# Altium PCB 11BRANMB10H_20170919.pcbdoc (part 4 of 7)
Units mm, origin at the board's own origin, x right, y up, seen from the top; angles counter-clockwise.
Board outline 91.65 x 48.25 mm, 6 copper layers (TOP, GND1, Singal, POWER, GND2, BOTTOM), stack 0.8 mm thick; 367 components, 288 nets, 1408 pads, 965 vias.
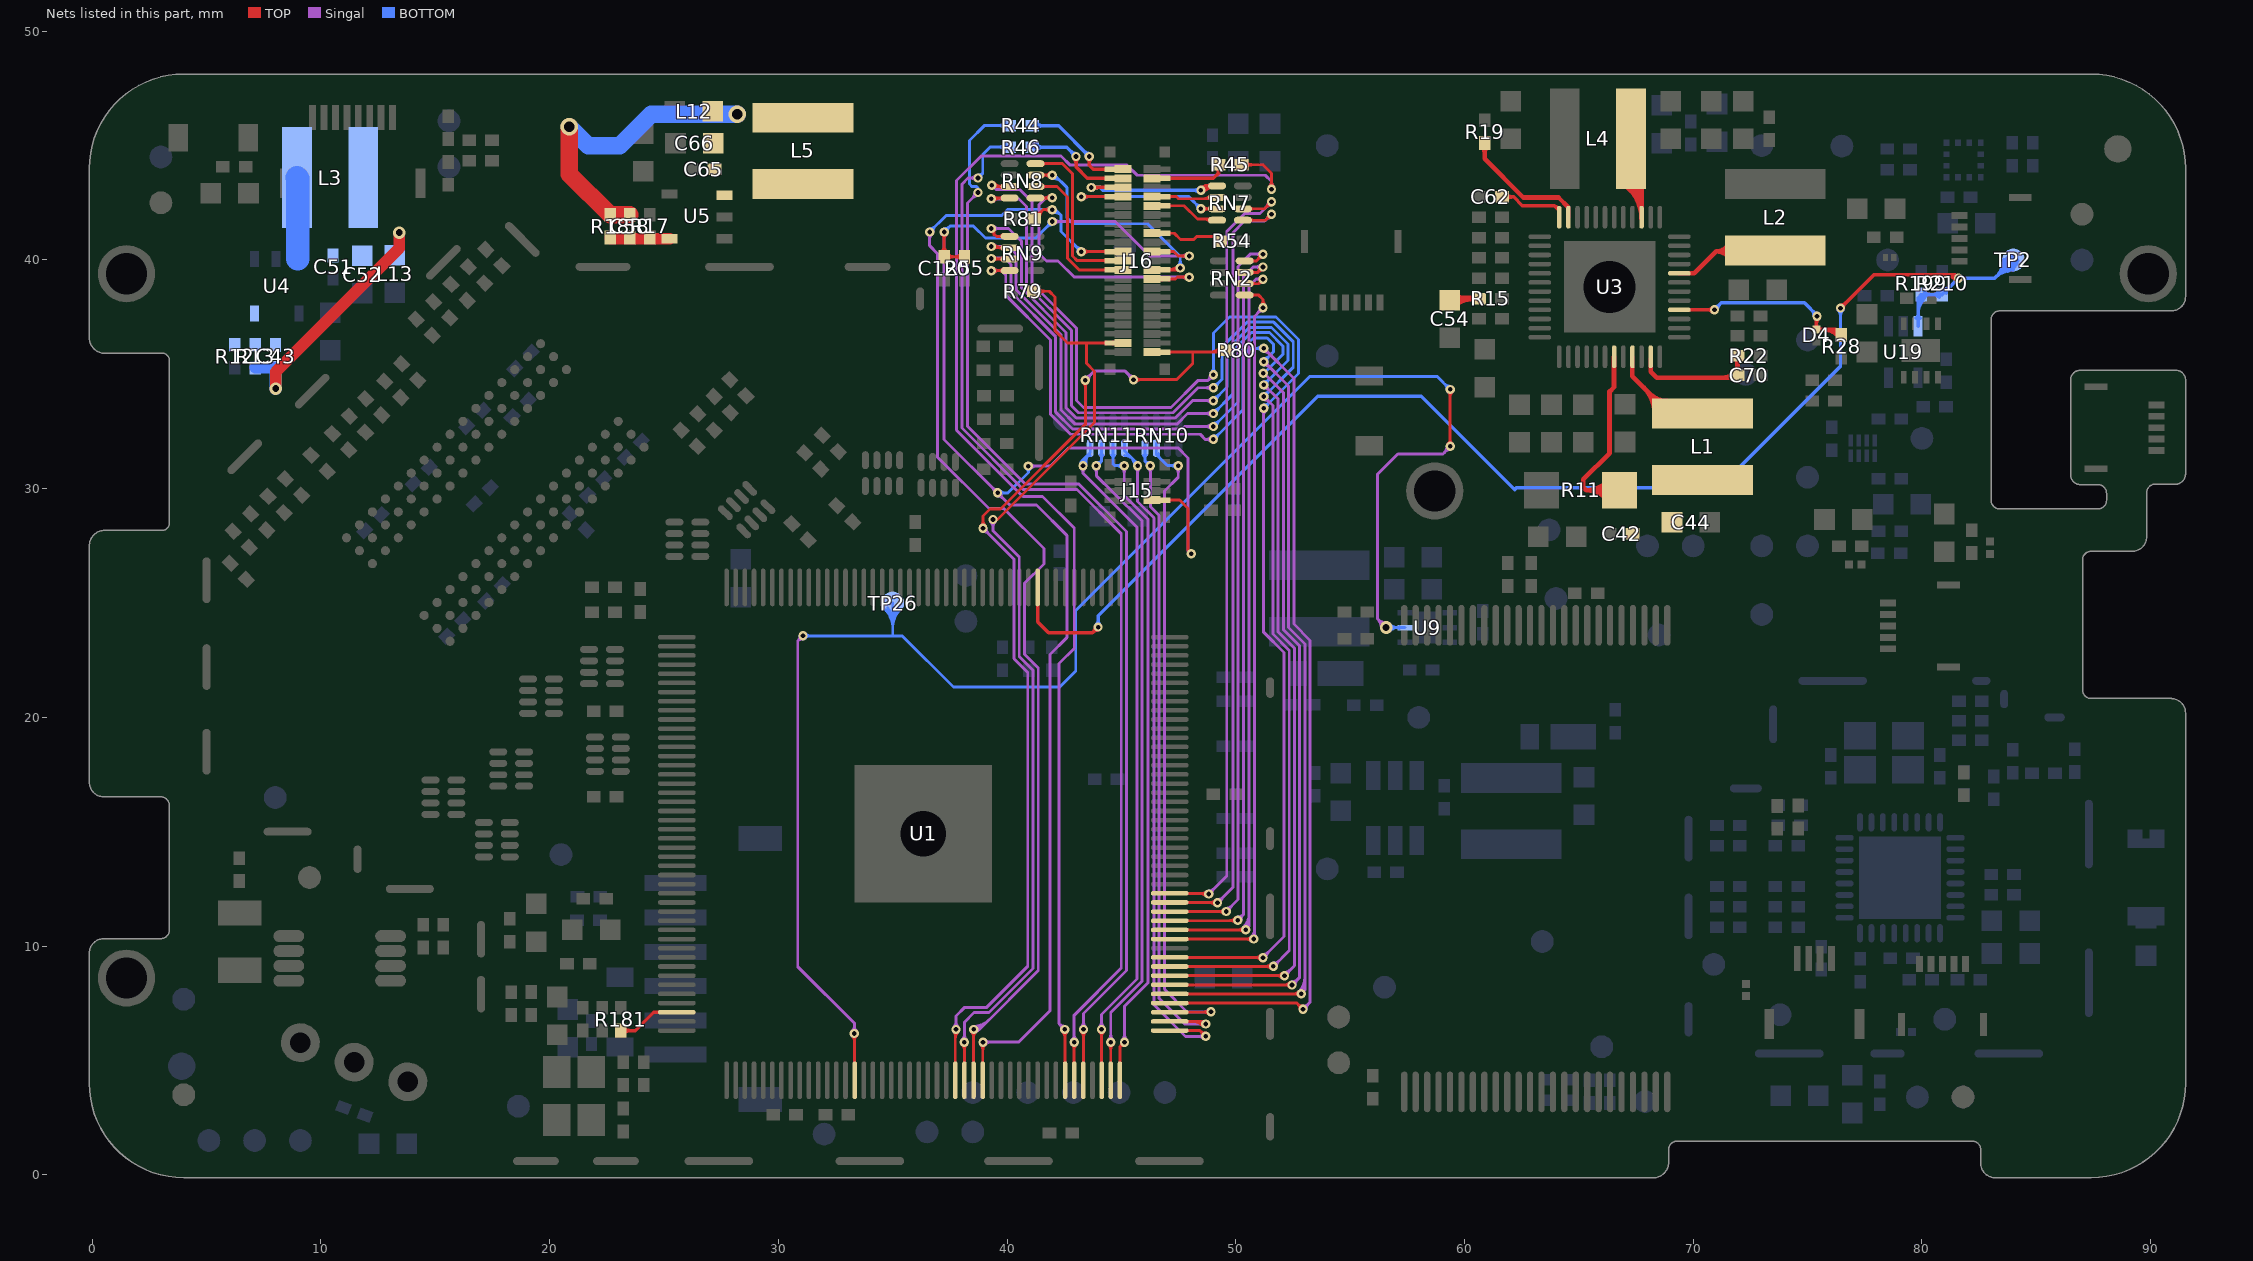
[diagram p8: the nets of this part, all layers, seen from the top]

## Via types
v1: diameter 0.406, hole 0.203, TOP to BOTTOM, tented both sides, 427 vias
v2: diameter 0.457, hole 0.254, TOP to BOTTOM, tented both sides, 256 vias
v3: diameter 0.559, hole 0.305, TOP to BOTTOM, tented both sides, 192 vias
v4: diameter 0.762, hole 0.457, TOP to BOTTOM, tented both sides, 69 vias
v5: diameter 0.61, hole 0.33, TOP to BOTTOM, tented both sides, 11 vias
v6: diameter 0.5, hole 0.2, TOP to BOTTOM, 9 vias
v7: diameter 0.508, hole 0.254, TOP to BOTTOM, tented both sides, 1 vias

## Nets (pads, with @x,y where several pads share a name; then routed paths per layer and width w, separated by ;. In a path a pad name is that pad's centre, name@x,y a point inside that pad or via, vN(x,y) a via of type N, cw(c..) or ccw(c..) an arc to the next point about the centre after c; other vN are vias at no path point) (continued)
LCD-D2: RN7.2 U1.148 | length 37.3
  TOP w0.127: U1.148@47.11,12.308 v1@48.785,12.308 ; 48.403,12.308 cw(c48.403,11.862) v1@48.718,12.177 ; 48.557,12.308 ccw(c48.557,12.536) v1@48.718,12.375 ; RN7.2@50.31,42.238 51.255,42.238 v1(51.562,42.545) ; RN7.2@50.615,42.175 cw(c50.766,42.023) 50.766,42.238 cw(c50.766,42.452) RN7.2@50.615,42.301 ; v1@51.422,42.545 cw(c51.085,42.545) 51.324,42.306 cw(c51.562,42.068) v1@51.562,42.405
  Singal w0.127: v1(48.817,12.276) 49.606,13.065 49.606,41.249 50.394,42.037 51.054,42.037 v1(51.562,42.545) ; v1@48.817,12.416 ccw(c48.817,12.753) 49.055,12.514 ccw(c49.294,12.276) v1@48.957,12.276 ; v1@51.422,42.545 cw(c51.085,42.545) 51.324,42.306 cw(c51.562,42.068) v1@51.562,42.405
LCD-D3: RN7.1 U1.147 | length 37.5
  TOP w0.127: U1.147@47.11,11.908 48.664,11.908 ; 48.664,11.908 v1@49.185,11.908 ; 48.83,11.908 cw(c48.83,11.527) v1@49.099,11.796 ; 48.891,11.908 ccw(c48.891,12.202) v1@49.099,11.994 ; RN7.1@50.31,41.738 51.301,41.738 v1(51.562,41.999) ; RN7.1@50.615,41.675 cw(c50.766,41.523) 50.766,41.738 cw(c50.766,41.952) RN7.1@50.615,41.8 ; v1@51.422,41.999 cw(c51.085,41.999) 51.324,41.76 cw(c51.562,41.522) v1@51.562,41.859
  Singal w0.127: v1(49.198,11.895) 49.873,12.57 49.873,41.192 50.381,41.7 51.264,41.7 v1(51.562,41.999) ; v1@49.198,12.035 ccw(c49.198,12.372) 49.436,12.133 ccw(c49.675,11.895) v1@49.338,11.895 ; v1@51.422,41.999 cw(c51.085,41.999) 51.324,41.76 cw(c51.562,41.522) v1@51.562,41.859
LCD-D4: RN2.4 U1.146 | length 35.6
  TOP w0.127: U1.146@47.11,11.508 v1@49.573,11.508 ; 49.227,11.508 ccw(c49.227,11.866) v1@49.48,11.613 ; 49.257,11.508 cw(c49.257,11.192) v1@49.48,11.415 ; RN2.4@50.387,39.961 50.902,39.961 v1(51.194,40.252) ; RN2.4@50.691,39.898 cw(c50.843,39.746) 50.843,39.961 cw(c50.843,40.176) RN2.4@50.691,40.024 ; v1@51.054,40.252 cw(c50.717,40.252) 50.955,40.014 cw(c51.194,39.775) v1@51.194,40.113
  Singal w0.127: v1(49.579,11.514) 50.101,12.036 50.101,39.719 50.635,40.252 v1(51.194,40.252) ; v1@49.579,11.654 ccw(c49.579,11.991) 49.817,11.752 ccw(c50.056,11.514) v1@49.719,11.514 ; v1@51.095,40.154 ccw(c50.856,39.915) 50.856,40.252 ccw(c50.856,40.59) v1@51.095,40.351
LCD-D5: RN2.3 U1.145 | length 35.6
  TOP w0.127: U1.145@47.11,11.108 v1@50.062,11.108 ; 49.689,11.108 ccw(c49.689,11.531) v1@49.988,11.232 ; 49.811,11.108 cw(c49.811,10.857) v1@49.988,11.034 ; RN2.3@50.416,39.49 RN2.3@50.387,39.461 50.961,39.461 ; RN2.3@50.691,39.398 cw(c50.843,39.246) 50.843,39.461 cw(c50.843,39.676) RN2.3@50.691,39.524 ; v1@51.054,39.691 cw(c50.736,39.686) 50.961,39.461 ; v1@51.191,39.554 ccw(c51.186,39.236) 50.961,39.461 ; v1(51.194,39.694) 50.961,39.461
  Singal w0.127: v1(50.087,11.133) 50.33,11.376 50.33,39.262 50.762,39.694 v1(51.194,39.694) ; v1@50.087,11.273 ccw(c50.087,11.61) 50.325,11.371 ccw(c50.564,11.133) v1@50.227,11.133 ; v1@51.095,39.595 ccw(c50.856,39.356) 50.856,39.694 ccw(c50.856,40.031) v1@51.095,39.792
LCD-D6: RN2.2 U1.144 | length 36
  TOP w0.127: U1.144@47.11,10.708 v1@50.424,10.708 ; 50.084,10.708 ccw(c50.084,11.06) v1@50.333,10.811 ; 50.105,10.708 cw(c50.105,10.385) v1@50.333,10.613 ; RN2.2@50.387,38.961 50.994,38.961 ; RN2.2@50.691,38.898 cw(c50.843,38.746) 50.843,38.961 cw(c50.843,39.176) RN2.2@50.691,39.024 ; v1@51.055,39.141 cw(c50.843,39.112) 50.994,38.961 ; v1@51.175,39.022 ccw(c51.146,38.81) 50.994,38.961 ; v1(51.194,39.16) 50.994,38.961
  Singal w0.127: v1@50.333,10.811 ccw(c49.726,11.417) 50.584,11.417 ; v1@50.423,10.721 ccw(c50.033,11.111) 50.584,11.111 ; v1(50.432,10.712) 50.584,10.865 50.584,38.862 50.882,39.16 ; v1@51.089,39.067 ccw(c50.882,38.883) 50.882,39.16 ; v1@51.089,39.253 cw(c50.882,39.437) 50.882,39.16 ; v1(51.194,39.16) 50.882,39.16
LCD-D7: RN2.1 U1.143 | length 35.1
  TOP w0.127: U1.143@47.11,10.308 v1(50.786,10.308) ; RN2.1@50.387,38.461 51.004,38.461 51.194,38.271 v1(51.194,37.916) ; v1@50.687,10.209 ccw(c50.449,9.971) 50.449,10.308 ccw(c50.449,10.645) v1@50.687,10.407 ; RN2.1@50.691,38.398 cw(c50.843,38.246) 50.843,38.461 cw(c50.843,38.676) RN2.1@50.691,38.524 ; v1@51.095,38.014 ccw(c50.856,38.253) 51.194,38.253 ccw(c51.531,38.253) v1@51.292,38.014
  Singal w0.127: v1@50.687,10.407 ccw(c50.384,10.71) 50.813,10.71 ; v1(50.786,10.308) 50.813,10.335 50.813,37.535 v1(51.194,37.916) ; 50.813,10.581 ccw(c51.059,10.581) v1@50.885,10.407 ; v1@51.054,37.916 cw(c50.717,37.916) 50.955,37.677 cw(c51.194,37.439) v1@51.194,37.776
LCD-D10: RN8.3 U1.141 | length 61.7
  TOP w0.127: v1(39.331,43.269) 39.391,43.209 RN8.3@40.113,43.209 ; v1@39.43,43.368 ccw(c39.812,43.75) RN8.3@39.812,43.209 ; RN8.3@39.809,43.147 ccw(c39.657,42.995) 39.657,43.209 ccw(c39.657,43.424) RN8.3@39.809,43.272 ; U1.141@47.11,9.508 51.176,9.508 v1(51.189,9.495) ; 50.821,9.508 cw(c50.821,9.128) v1@51.09,9.396 ; 50.882,9.508 ccw(c50.882,9.802) v1@51.09,9.594
  Singal w0.127: v1(39.331,43.269) 39.522,43.078 40.551,43.078 41.084,42.545 41.084,38.974 43.04,37.018 43.04,33.852 43.345,33.547 47.161,33.547 48.336,34.722 48.768,34.722 v1(49.022,34.976) ; v1@48.882,34.976 cw(c48.545,34.976) 48.784,34.737 cw(c49.022,34.499) v1@49.022,34.836 ; v1@51.12,33.423 cw(c50.882,33.184) 51.219,33.184 cw(c51.556,33.184) v1@51.318,33.423 ; v1(51.189,9.495) 52.108,10.415 52.108,22.835 51.219,23.724 v1(51.219,33.521) ; v1@51.189,9.635 ccw(c51.189,9.972) 51.427,9.734 ccw(c51.666,9.495) v1@51.328,9.495
  BOTTOM w0.127: v1@48.923,35.074 ccw(c48.685,35.313) 49.022,35.313 ccw(c49.359,35.313) v1@49.121,35.074 ; v1(49.022,34.976) 49.022,36.804 49.727,37.509 51.752,37.509 52.743,36.519 52.743,35.033 51.232,33.521 v1(51.219,33.521) ; v1@51.219,33.661 ccw(c51.219,34.029) 51.479,33.769 ; v1@51.359,33.521 cw(c51.665,33.521) 51.448,33.738
LCD-D11: RN8.4 U1.140 | length 62.4
  TOP w0.127: v1@39.331,42.672 39.369,42.709 RN8.4@40.113,42.709 ; v1@39.405,42.573 cw(c39.733,42.245) RN8.4@39.733,42.709 ; v1@39.405,42.771 ccw(c39.553,42.919) 39.553,42.709 ; RN8.4@39.809,42.646 ccw(c39.657,42.495) 39.657,42.709 ccw(c39.657,42.924) RN8.4@39.809,42.772 ; U1.140@47.11,9.108 51.639,9.108 v1(51.646,9.114) ; 51.293,9.108 ccw(c51.293,9.467) v1@51.547,9.213 ; 51.324,9.108 cw(c51.324,8.793) v1@51.547,9.015
  Singal w0.127: v1@39.331,42.672 40.525,42.672 40.855,42.342 40.855,38.879 42.811,36.923 42.811,33.63 43.123,33.318 47.256,33.318 48.35,34.412 v1(49.022,34.412) ; v1@39.405,42.573 cw(c39.643,42.335) 39.643,42.672 cw(c39.643,43.009) v1@39.405,42.771 ; v1@48.923,34.313 ccw(c48.685,34.074) 48.685,34.412 ccw(c48.685,34.749) v1@48.923,34.51 ; v1@51.219,33.89 cw(c51.219,33.521) 51.479,33.782 ; v1(51.219,34.029) 51.232,34.029 51.625,33.636 51.625,23.64 52.337,22.929 52.337,9.805 v1(51.646,9.114) ; v1@51.359,34.029 ccw(c51.665,34.029) 51.448,33.813 ; v1@51.646,9.254 ccw(c51.646,9.591) 51.884,9.353 ccw(c52.123,9.114) v1@51.785,9.114
  BOTTOM w0.127: v1(49.022,34.412) 49.39,34.78 49.39,36.182 50.489,37.281 51.658,37.281 52.514,36.424 52.514,35.312 51.232,34.029 v1(51.219,34.029) ; v1@49.022,34.551 ccw(c49.022,34.889) 49.26,34.65 ccw(c49.499,34.412) v1@49.162,34.412 ; v1@51.219,34.169 ccw(c51.219,34.537) 51.479,34.277 ; v1@51.359,34.029 cw(c51.665,34.029) 51.448,34.246
  other v1: 39.306,42.672
LCD-D12: RN9.1 U1.139 | length 61.3
  TOP w0.127: v1@39.303,41.237 cw(c39.301,41.105) 39.433,41.105 ; v1@39.433,41.377 39.433,41.136 39.535,41.034 RN9.1@40.113,41.034 ; RN9.1@39.809,40.972 ccw(c39.657,40.82) 39.657,41.034 ccw(c39.657,41.249) RN9.1@39.809,41.097 ; U1.139@47.11,8.708 v1(52.128,8.708) ; 51.791,8.708 cw(c51.791,8.37) v1@52.03,8.609 ; 51.791,8.708 ccw(c51.791,9.045) v1@52.03,8.807
  Singal w0.127: v1@39.405,41.278 cw(c39.643,41.039) 39.643,41.377 cw(c39.643,41.714) v1@39.405,41.475 ; v1@39.433,41.377 40.068,41.377 40.627,40.818 40.627,38.784 42.583,36.828 42.583,33.536 43.029,33.09 47.351,33.09 48.109,33.848 v1(49.022,33.848) ; v1@48.923,33.749 ccw(c48.685,33.511) 48.685,33.848 ccw(c48.685,34.185) v1@48.923,33.947 ; v1@51.219,34.398 cw(c51.219,34.029) 51.479,34.29 ; v1@51.232,34.537 51.854,33.915 51.854,23.735 52.565,23.024 52.565,9.145 v1(52.128,8.708) ; v1@51.359,34.537 ccw(c51.665,34.537) 51.448,34.321 ; v1@52.128,8.848 ccw(c52.128,9.185) 52.367,8.946 ccw(c52.605,8.708) v1@52.268,8.708
  BOTTOM w0.127: v1(49.022,33.848) 49.619,34.445 49.619,36.086 50.585,37.052 51.563,37.052 52.286,36.329 52.286,35.604 v1(51.219,34.537) ; v1@49.022,33.988 ccw(c49.022,34.325) 49.26,34.086 ccw(c49.499,33.848) v1@49.162,33.848 ; v1@51.219,34.677 ccw(c51.219,35.015) 51.458,34.776 ccw(c51.695,34.537) v1@51.359,34.537
  other v1: 39.306,41.377
LCD-D13: RN9.2 U1.138 | length 60.6
  TOP w0.127: v1(39.306,40.589) 39.361,40.534 RN9.2@40.113,40.534 ; v1@39.405,40.49 cw(c39.511,40.384) 39.511,40.534 ; v1@39.405,40.688 ccw(c39.776,41.059) RN9.2@39.776,40.534 ; RN9.2@39.809,40.471 ccw(c39.657,40.32) 39.657,40.534 ccw(c39.657,40.749) RN9.2@39.809,40.597 ; U1.138@47.11,8.308 52.452,8.308 v1(52.459,8.301) ; 52.106,8.308 cw(c52.106,7.949) v1@52.36,8.203 ; 52.137,8.308 ccw(c52.137,8.623) v1@52.36,8.4
  Singal w0.127: v1(39.306,40.589) 40.068,40.589 40.398,40.259 40.398,38.69 42.354,36.734 42.354,33.441 42.959,32.836 47.447,32.836 47.896,33.284 v1(49.022,33.284) ; v1@39.405,40.49 cw(c39.643,40.252) 39.643,40.589 cw(c39.643,40.926) v1@39.405,40.688 ; v1@48.923,33.185 ccw(c48.685,32.947) 48.685,33.284 ccw(c48.685,33.621) v1@48.923,33.383 ; v1@51.232,35.045 52.083,34.195 52.083,23.83 52.794,23.119 52.794,8.637 v1(52.459,8.301) ; v1@52.459,8.441 ccw(c52.459,8.778) 52.697,8.54 ccw(c52.936,8.301) v1@52.598,8.301
  BOTTOM w0.127: v1(49.022,33.284) 49.867,34.129 49.867,36.011 50.68,36.823 51.468,36.823 52.057,36.235 52.057,35.871 51.232,35.045 v1(51.206,35.045) ; v1@49.022,33.424 ccw(c49.022,33.761) 49.26,33.522 ccw(c49.499,33.284) v1@49.162,33.284
LCD-D14: RN9.3 U1.137 | length 62.2
  TOP w0.127: v1@39.306,40.081 39.316,40.071 39.353,40.034 RN9.3@40.113,40.034 ; v1@39.405,39.963 cw(c39.577,39.79) 39.577,40.034 ; v1@39.405,40.161 ccw(c39.709,40.465) 39.709,40.034 ; RN9.3@39.809,39.972 ccw(c39.657,39.82) 39.657,40.034 ccw(c39.657,40.249) RN9.3@39.809,40.097 ; U1.137@47.11,7.908 52.852,7.908 v1(52.865,7.92) ; 52.497,7.908 ccw(c52.497,8.288) v1@52.766,8.019 ; 52.558,7.908 cw(c52.558,7.613) v1@52.766,7.822
  Singal w0.127: v1@39.306,40.081 39.89,40.081 40.17,39.802 40.17,38.595 42.125,36.639 42.125,33.346 42.865,32.607 47.65,32.607 47.763,32.72 v1(49.022,32.72) ; v1@39.405,39.963 cw(c39.69,39.678) 39.69,40.081 ; v1@39.405,40.161 ccw(c39.596,40.352) 39.596,40.081 ; v1@48.923,32.621 ccw(c48.685,32.383) 48.685,32.72 ccw(c48.685,33.057) v1@48.923,32.819 ; v1@51.219,35.414 cw(c51.219,35.015) 51.501,35.297 ; v1@51.244,35.553 52.311,34.487 52.311,23.925 53.022,23.213 53.022,8.078 v1(52.865,7.92) ; v1@51.359,35.553 ccw(c51.635,35.553) 51.44,35.358 ; v1@52.766,8.019 ccw(c52.148,8.638) 53.022,8.638 ; v1@52.856,7.929 ccw(c52.454,8.331) 53.022,8.331
  BOTTOM w0.127: v1(49.022,32.72) 50.096,33.794 50.096,35.916 50.775,36.595 51.374,36.595 51.651,36.318 51.651,35.985 v1(51.219,35.553) ; v1@49.022,32.86 ccw(c49.022,33.197) 49.26,32.959 ccw(c49.499,32.72) v1@49.162,32.72 ; v1@51.219,35.693 ccw(c51.219,36.03) 51.457,35.792 ccw(c51.696,35.553) v1@51.359,35.553
  other v1: 39.306,40.062
LCD-D15: RN9.4 U1.136 | length 61.6
  TOP w0.127: v1@39.318,39.534 RN9.4@40.113,39.534 ; v1@39.405,39.436 cw(c39.643,39.197) 39.643,39.534 cw(c39.643,39.872) v1@39.405,39.633 ; RN9.4@39.809,39.471 ccw(c39.657,39.32) 39.657,39.534 ccw(c39.657,39.749) RN9.4@39.809,39.597 ; U1.136@47.11,7.508 52.668,7.508 v1(52.941,7.235) ; v1@52.801,7.235 ccw(c52.464,7.235) 52.703,7.473 ccw(c52.941,7.712) v1@52.941,7.374
  Singal w0.127: v1@39.318,39.534 39.751,39.534 39.941,39.345 39.941,38.456 41.897,36.5 41.897,33.252 42.77,32.378 48.444,32.378 48.666,32.156 v1(49.022,32.156) ; v1@39.405,39.436 cw(c39.643,39.197) 39.643,39.534 cw(c39.643,39.872) v1@39.405,39.633 ; v1@48.923,32.057 ccw(c48.685,31.819) 48.685,32.156 ccw(c48.685,32.493) v1@48.923,32.255 ; v1@51.219,35.998 cw(c51.219,35.661) 51.457,35.899 cw(c51.696,36.138) v1@51.359,36.138 ; v1(51.219,36.138) 52.54,34.817 52.54,24.079 53.251,23.368 53.251,7.544 v1(52.941,7.235) ; v1@52.941,7.374 ccw(c52.941,7.712) 53.18,7.473 ccw(c53.418,7.235) v1@53.081,7.235
  BOTTOM w0.127: v1(49.022,32.156) 50.324,33.458 50.324,35.821 50.641,36.138 v1(51.219,36.138) ; v1@49.022,32.296 ccw(c49.022,32.633) 49.26,32.395 ccw(c49.499,32.156) v1@49.162,32.156 ; v1@51.12,36.039 ccw(c50.882,35.8) 50.882,36.138 ccw(c50.882,36.475) v1@51.12,36.236
  other v1: 39.306,39.534
LCD-D18: RN10.3 U1.135 | length 31.4
  TOP w0.127: U1.135@47.11,7.108 48.903,7.108 v1(48.919,7.124) ; 48.543,7.108 ccw(c48.543,7.499) v1@48.82,7.222 ; 48.62,7.108 cw(c48.62,6.825) v1@48.82,7.025
  Singal w0.127: v1@47.386,30.91 cw(c47.148,30.672) 47.485,30.672 cw(c47.822,30.672) v1@47.584,30.91 ; v1(47.485,31.009) 47.485,30.501 46.879,29.895 46.879,8.118 47.873,7.124 v1(48.919,7.124) ; v1@48.82,7.025 ccw(c48.581,6.786) 48.581,7.124 ccw(c48.581,7.461) v1@48.82,7.222
  BOTTOM w0.127: RN10.3@46.524,31.974 RN10.3@46.524,31.774 46.524,31.492 47.007,31.009 v1(47.485,31.009) ; RN10.3@46.613,31.533 ccw(c46.928,31.533) 46.705,31.311 ; v1@47.386,30.91 ccw(c47.148,30.672) 47.148,31.009 ccw(c47.148,31.346) v1@47.386,31.108
LCD-D19: RN10.4 U1.134 | length 31.4
  TOP w0.127: U1.134@47.11,6.708 48.575,6.708 v1(48.69,6.593) ; 48.075,6.708 cw(c48.075,5.978) v1@48.591,6.494 ; 48.382,6.708 cw(c48.382,6.285) v1@48.681,6.584
  Singal w0.127: v1@46.167,30.908 cw(c45.929,30.67) 46.266,30.67 cw(c46.603,30.67) v1@46.365,30.908 ; v1(46.266,31.007) 46.266,29.206 46.651,28.821 46.651,7.711 47.769,6.593 v1(48.69,6.593) ; v1@48.591,6.494 ccw(c48.353,6.256) 48.353,6.593 ccw(c48.353,6.93) v1@48.591,6.692
  BOTTOM w0.127: RN10.4@45.961,31.47 cw(c45.809,31.318) 46.024,31.318 cw(c46.239,31.318) RN10.4@46.087,31.47 ; RN10.4@46.024,31.974 RN10.4@46.024,31.774 46.024,31.216 ; 46.051,31.189 cw(c45.869,31.007) v1@46.126,31.007 ; v1@46.244,31.145 cw(c46.203,31.395) 46.024,31.216 ; v1(46.266,31.007) 46.233,31.007 46.024,31.216
LCD-D20: RN11.1 U1.133 | length 32.1
  TOP w0.127: U1.133@47.11,6.308 48.435,6.308 v1(48.69,6.053) ; v1@48.55,6.053 ccw(c48.213,6.053) 48.452,6.291 ccw(c48.69,6.53) v1@48.69,6.193
  Singal w0.127: v1@45.608,30.908 cw(c45.37,30.67) 45.707,30.67 cw(c46.044,30.67) v1@45.806,30.908 ; v1(45.707,31.007) 45.707,29.442 46.422,28.727 46.422,7.432 47.801,6.053 v1(48.69,6.053) ; v1@48.591,5.954 ccw(c48.353,5.716) 48.353,6.053 ccw(c48.353,6.39) v1@48.591,6.152
  BOTTOM w0.127: RN11.1@45.136,31.444 cw(c45.136,30.933) 45.498,31.294 ; RN11.1@45.136,31.974 RN11.1@45.136,31.774 45.136,31.656 45.682,31.111 45.682,31.032 v1(45.707,31.007) ; 45.413,31.379 cw(c45.041,31.007) v1@45.568,31.007 ; 45.603,31.19 ccw(c45.707,31.294) v1@45.707,31.147
LCD-D21: RN11.2 U1.132 | length 31.5
  TOP w0.127: U1.132@44.935,4.133 44.935,5.6 ; v1@44.996,5.78 cw(c44.784,5.751) 44.935,5.6 ; v1@45.115,5.661 ccw(c45.086,5.449) 44.935,5.6 ; v1(45.134,5.799) 44.935,5.6
  Singal w0.127: v1@45.024,30.908 cw(c44.786,30.67) 45.123,30.67 cw(c45.46,30.67) v1@45.222,30.908 ; v1@45.035,5.898 ccw(c44.797,6.136) 45.134,6.136 ccw(c45.471,6.136) v1@45.233,5.898 ; v1(45.123,31.007) 45.123,29.703 46.16,28.665 46.16,8.395 45.134,7.369 v1(45.134,5.799)
  BOTTOM w0.127: RN11.2@44.573,31.47 cw(c44.422,31.318) 44.636,31.318 cw(c44.851,31.318) RN11.2@44.699,31.47 ; RN11.2@44.636,31.974 RN11.2@44.636,31.774 44.636,31.089 44.719,31.007 v1(45.123,31.007) ; v1@45.024,30.908 ccw(c44.786,30.67) 44.786,31.007 ccw(c44.786,31.344) v1@45.024,31.106
LCD-D22: RN11.3 U1.131 | length 31.8
  TOP w0.127: v1@44.435,5.7 cw(c44.194,5.459) 44.535,5.459 ; U1.131@44.535,4.133 v1@44.535,5.798 ; 44.535,5.465 cw(c44.868,5.465) v1@44.633,5.7
  Singal w0.127: v1@43.805,30.91 cw(c43.567,30.672) 43.904,30.672 cw(c44.241,30.672) v1@44.003,30.91 ; v1(43.904,31.009) 43.904,30.569 44.648,29.825 45.905,28.596 45.905,8.464 44.534,7.092 v1(44.534,5.799) ; v1@44.435,5.898 ccw(c44.197,6.136) 44.534,6.136 ccw(c44.871,6.136) v1@44.633,5.898
  BOTTOM w0.127: v1(43.904,31.009) 43.904,30.983 43.917,30.996 44.136,31.216 ; v1@43.925,31.147 ccw(c43.963,31.389) 44.136,31.216 ; v1@44.044,31.009 cw(c44.318,31.009) 44.124,31.203 ; RN11.3@44.074,31.47 cw(c43.922,31.318) 44.136,31.318 cw(c44.351,31.318) RN11.3@44.199,31.47 ; RN11.3@44.136,31.974 RN11.3@44.136,31.774 44.136,31.216
LCD-D23: RN11.4 U1.130 | length 33
  TOP w0.127: v1@44.029,6.259 cw(c43.771,6.002) 44.135,6.002 ; U1.130@44.135,4.133 v1@44.135,6.35 ; 44.135,6.039 cw(c44.446,6.039) v1@44.226,6.259
  Singal w0.127: v1@43.222,30.907 cw(c42.993,30.674) 43.32,30.674 ; v1(43.32,31.007) 43.32,30.674 ; v1@43.417,30.907 ccw(c43.647,30.674) 43.32,30.674 ; v1@44.029,6.457 ccw(c43.79,6.695) 44.127,6.695 ccw(c44.465,6.695) v1@44.226,6.457 ; v1(44.127,6.358) 44.127,7.009 45.677,8.559 45.677,28.317 43.32,30.674
  BOTTOM w0.127: v1@43.207,30.989 cw(c43.48,31.032) 43.284,31.228 ; v1@43.244,31.124 ccw(c43.155,31.263) 43.32,31.263 ; v1(43.32,31.007) 43.32,31.263 ; v1@43.332,31.009 cw(c43.783,31.081) 43.46,31.404 ; v1@43.395,31.124 cw(c43.485,31.263) 43.32,31.263 ; 43.405,31.348 cw(c43.636,31.117) RN11.4@43.636,31.444 ; v1@43.458,31.029 cw(c44.087,31.129) RN11.4@43.636,31.58 ; RN11.4@43.636,31.974 RN11.4@43.636,31.774 RN11.4@43.636,31.58 ; 43.32,31.263 RN11.4@43.636,31.58
LCD-DE: R44.2 U1.128 | length 50.9
  TOP w0.127: v1@43.241,6.259 cw(c43.003,6.021) 43.34,6.021 cw(c43.677,6.021) v1@43.439,6.259 ; U1.128@43.335,4.133 43.34,4.138 v1(43.34,6.358)
  Singal w0.127: v1@38.586,42.951 cw(c38.249,42.951) 38.488,42.713 cw(c38.726,42.474) v1@38.726,42.812 ; v1(38.726,42.951) 38.269,42.494 38.269,32.73 40.803,30.196 43.147,30.196 45.22,28.123 45.22,8.933 43.34,7.053 v1(43.34,6.358) ; v1@43.241,6.457 ccw(c43.003,6.695) 43.34,6.695 ccw(c43.677,6.695) v1@43.439,6.457
  BOTTOM w0.127: v1(38.726,42.951) 38.726,43.151 38.672,43.205 38.472,43.205 38.358,43.32 38.358,45.229 39.001,45.872 R44.2@40.101,45.872 ; R44.2@39.92,45.741 ccw(c39.601,45.422) 39.601,45.872 ccw(c39.601,46.323) R44.2@39.92,46.004
LCD-HSYNC: R46.2 U1.127 | length 51.3
  TOP w0.127: v1@42.835,5.7 cw(c42.596,5.462) 42.934,5.462 cw(c43.271,5.462) v1@43.032,5.7 ; v1(42.934,5.799) 42.934,4.134 U1.127@42.935,4.133
  Singal w0.127: v1@38.823,43.586 v1(38.726,43.586) ; v1@42.835,5.898 ccw(c42.596,6.136) 42.934,6.136 ccw(c43.271,6.136) v1@43.032,5.898 ; v1(42.934,5.799) 42.934,6.981 44.991,9.038 44.991,28.028 43.052,29.968 40.708,29.968 38.024,32.652 38.024,43.313 38.297,43.586 ; 38.297,43.586 v1(38.726,43.586) ; 38.297,43.586 v1(38.726,43.586) ; 38.389,43.586 ccw(c38.389,43.924) 38.627,43.685 cw(c38.389,43.924) 38.389,43.586 ; 38.389,43.586 cw(c38.389,43.249) 38.627,43.488 ccw(c38.389,43.249) 38.389,43.586